# Altium PCB USB3-PCIEv21.PcbDoc (part 1 of 2)
Units mm, origin at the board's own origin, x right, y up, seen from the top; angles counter-clockwise.
Board outline 83.05 x 33 mm, 6 copper layers (Top Layer, Int Plane 1, Int Layer 1, Int Layer 2, Int Plane 2, Bottom Layer), stack 1.15 mm thick; 130 components, 93 nets, 474 pads, 279 vias.
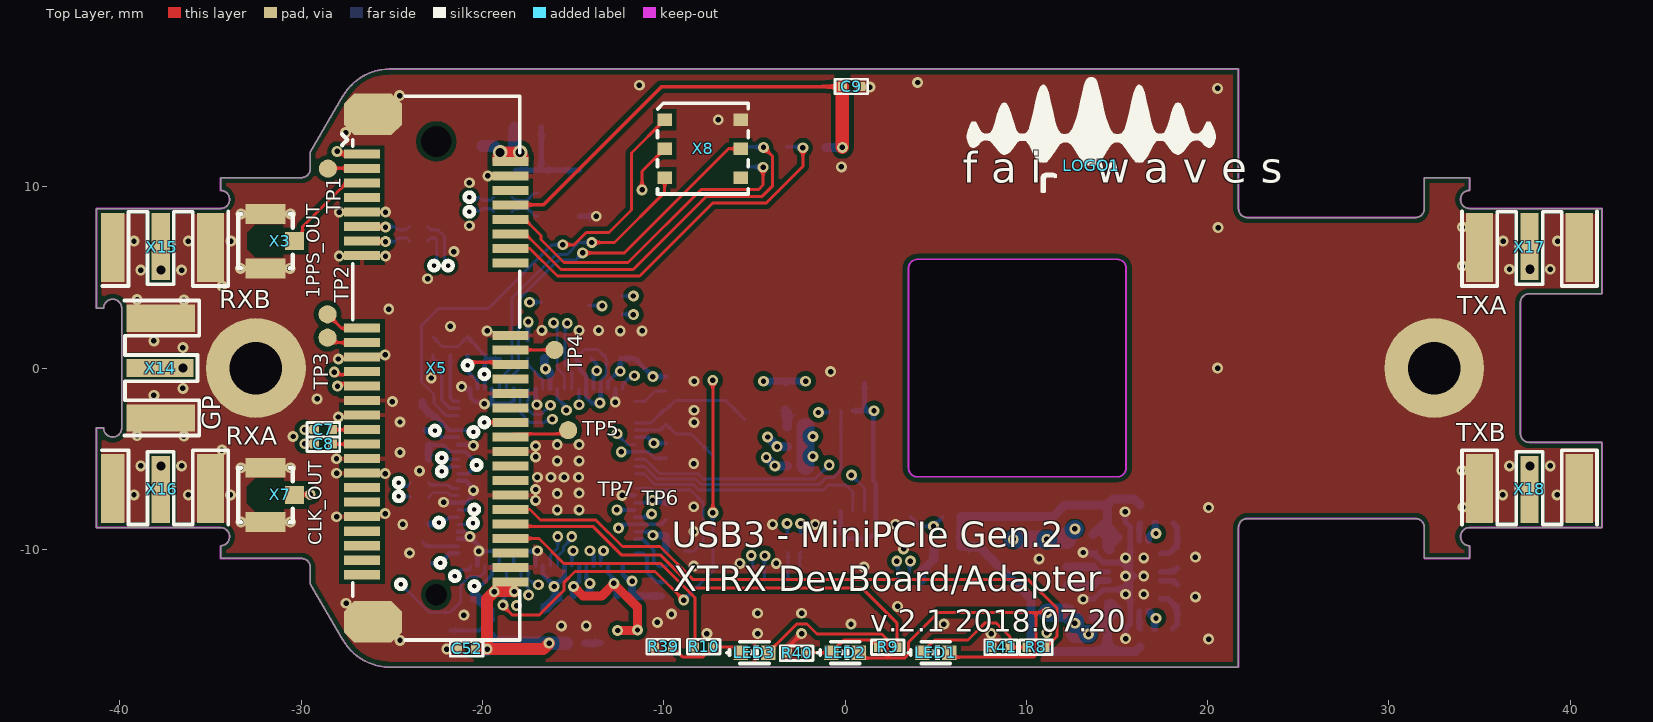
[diagram p0: Top Layer view]
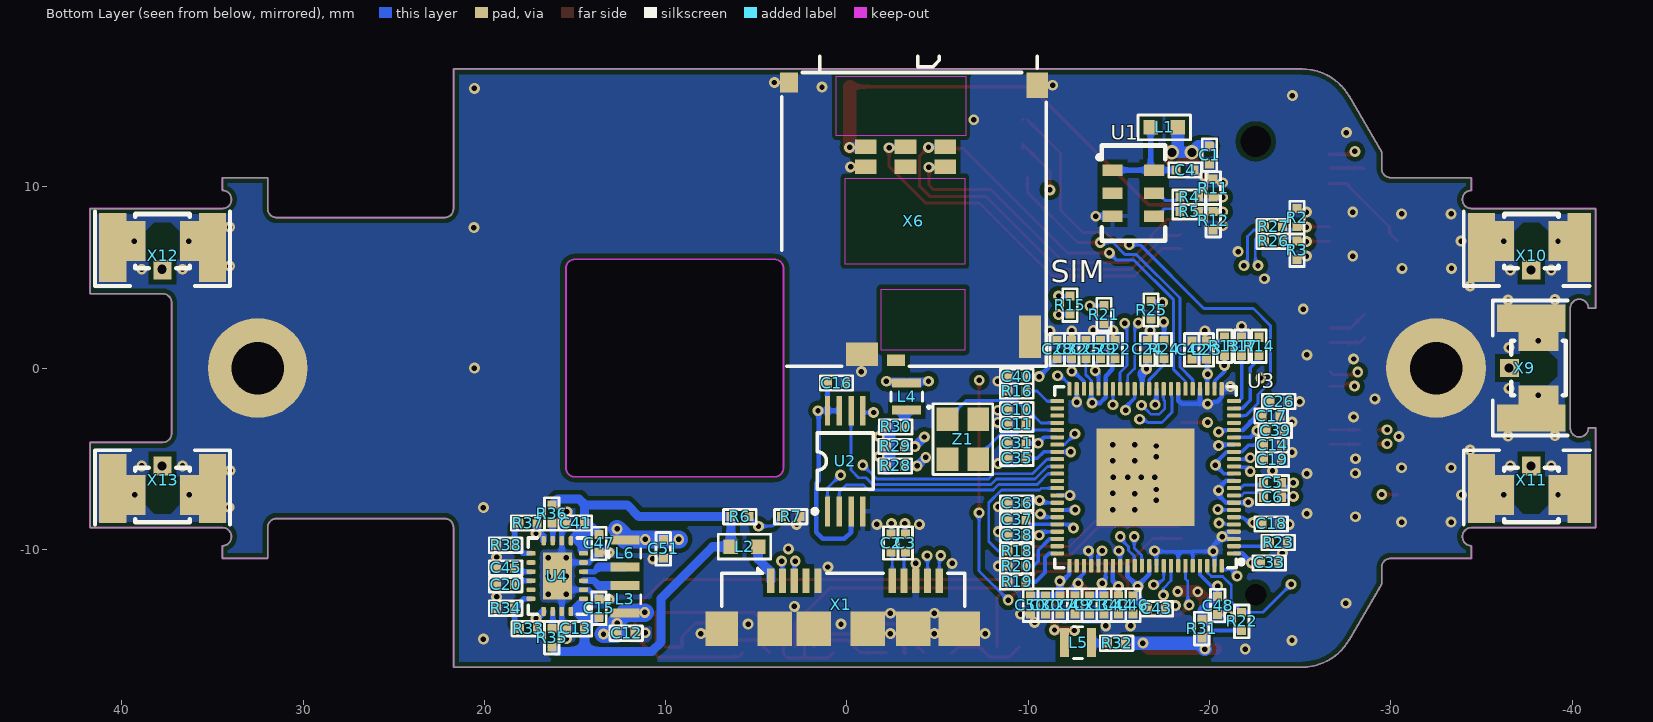
[diagram p1: Bottom Layer view, seen from below]
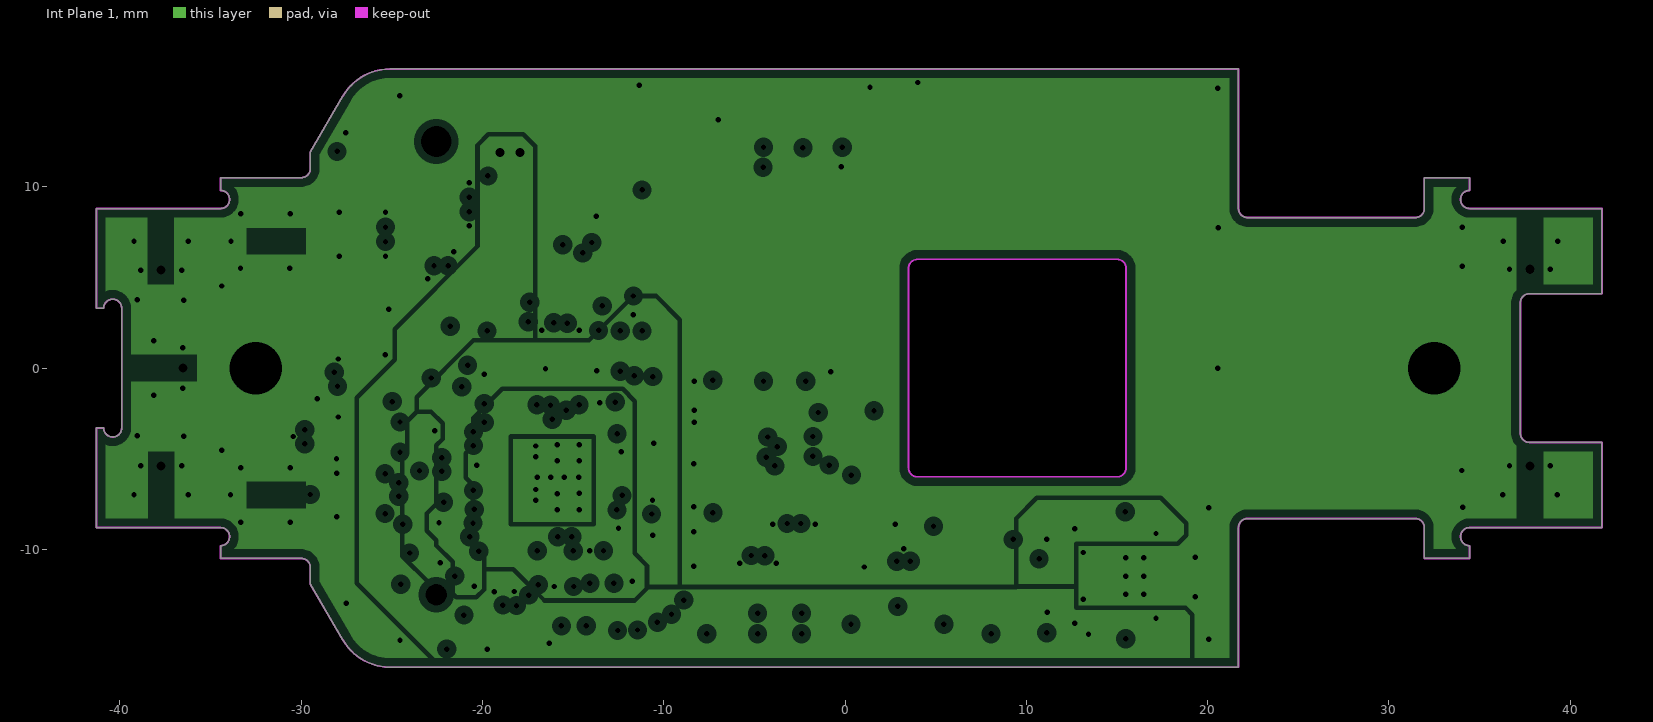
[diagram p2: Int Plane 1, clearances drawn from the general rule]
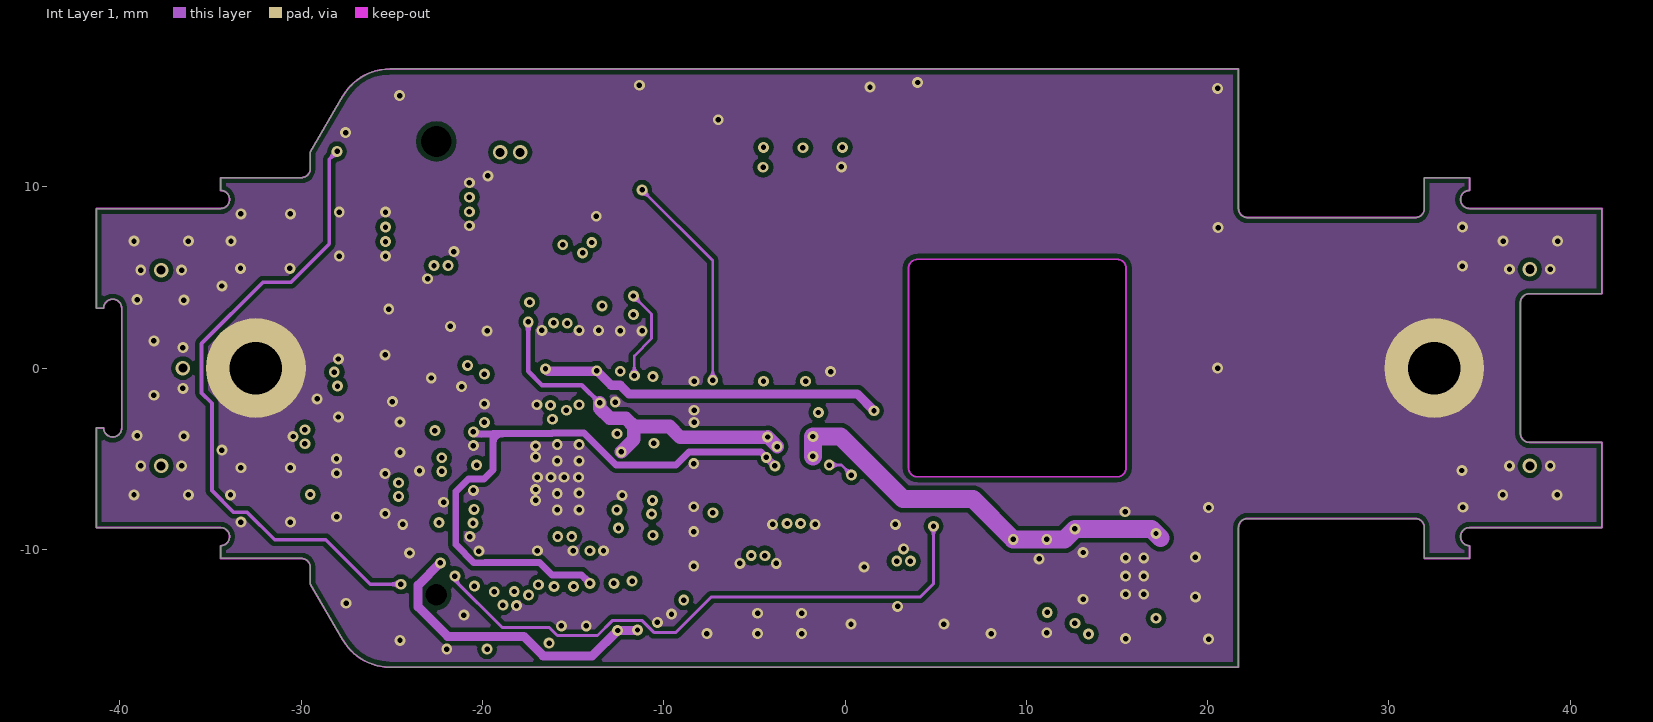
[diagram p3: Int Layer 1]
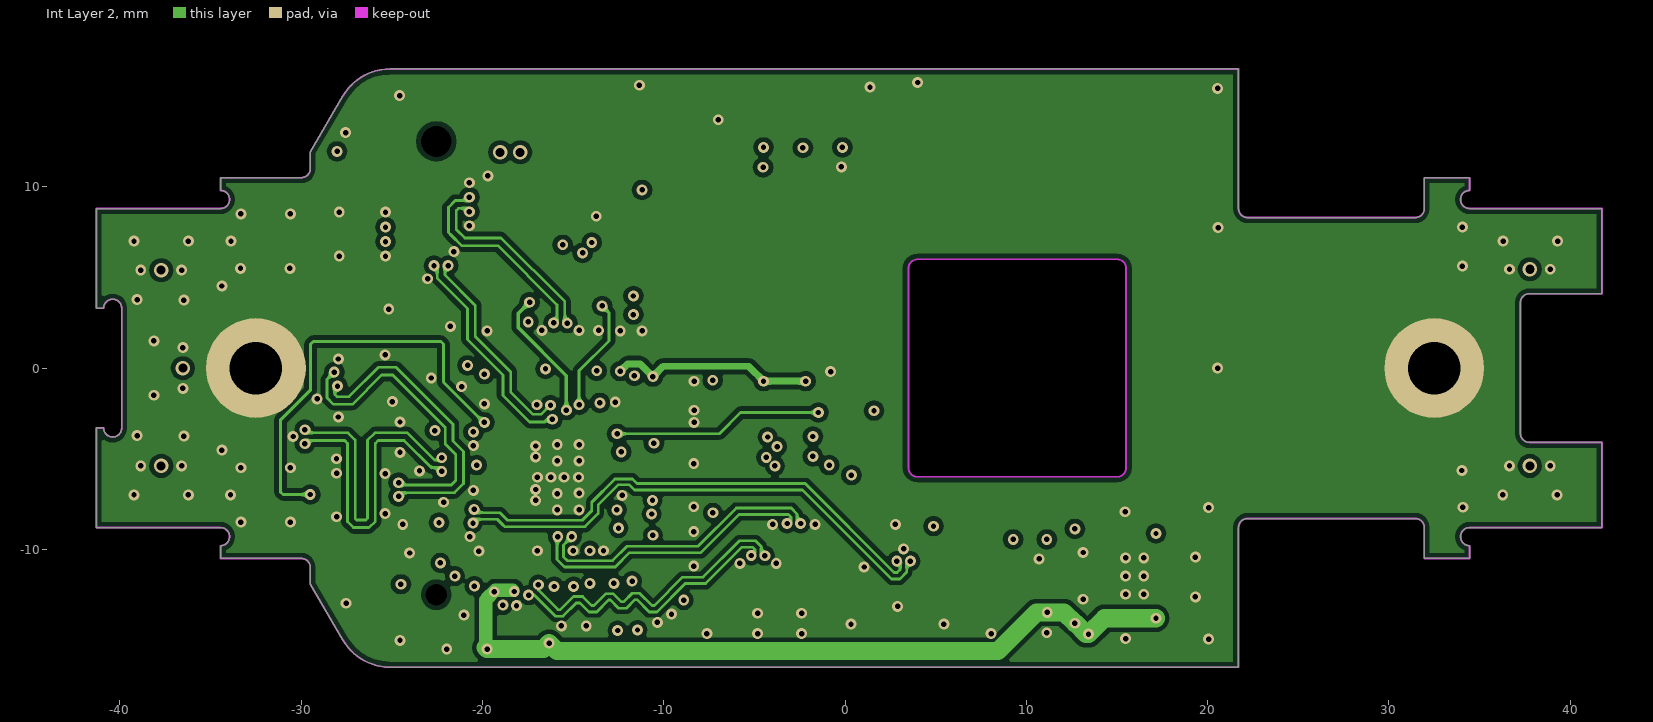
[diagram p4: Int Layer 2]
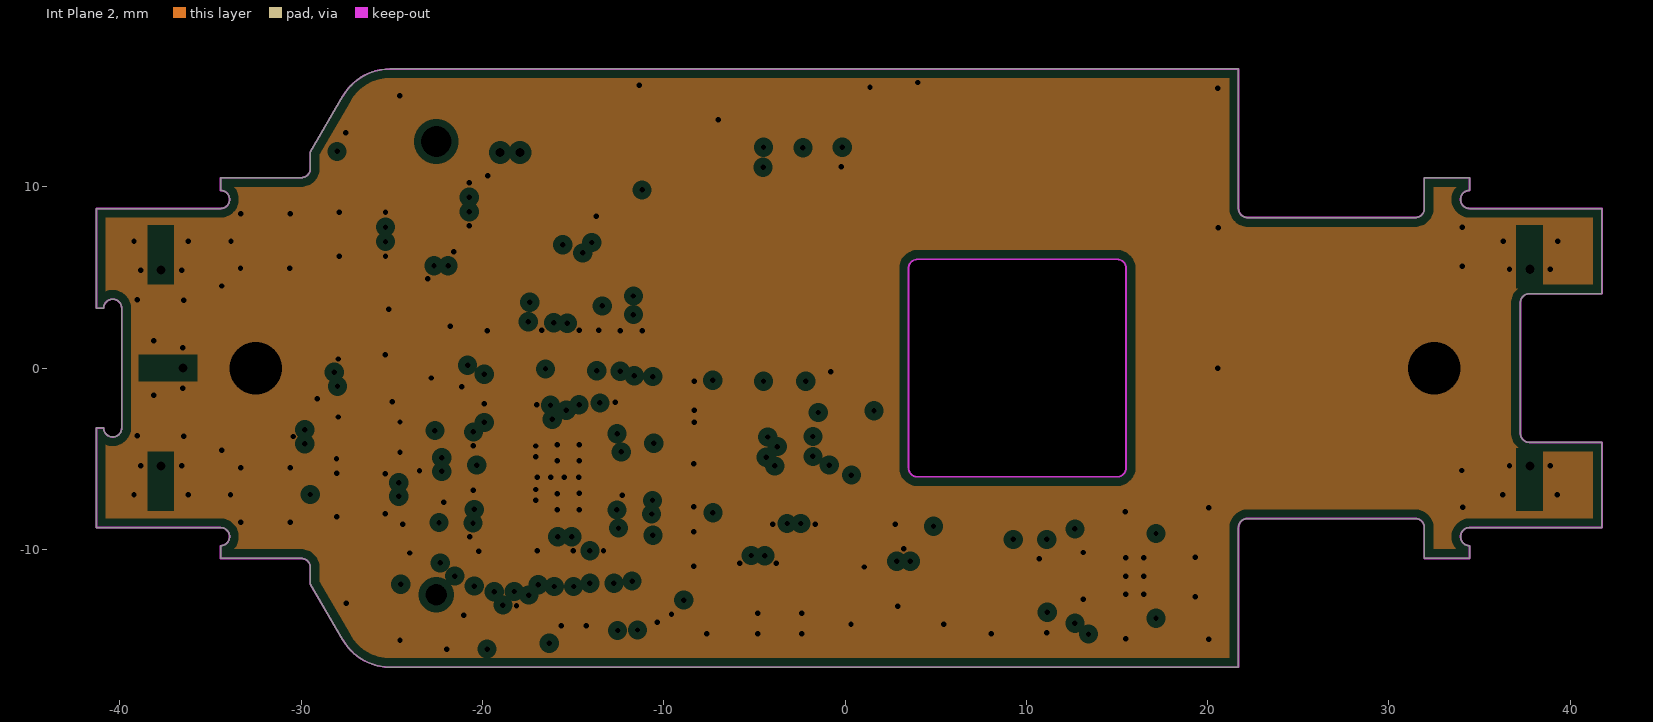
[diagram p5: Int Plane 2, clearances drawn from the general rule]
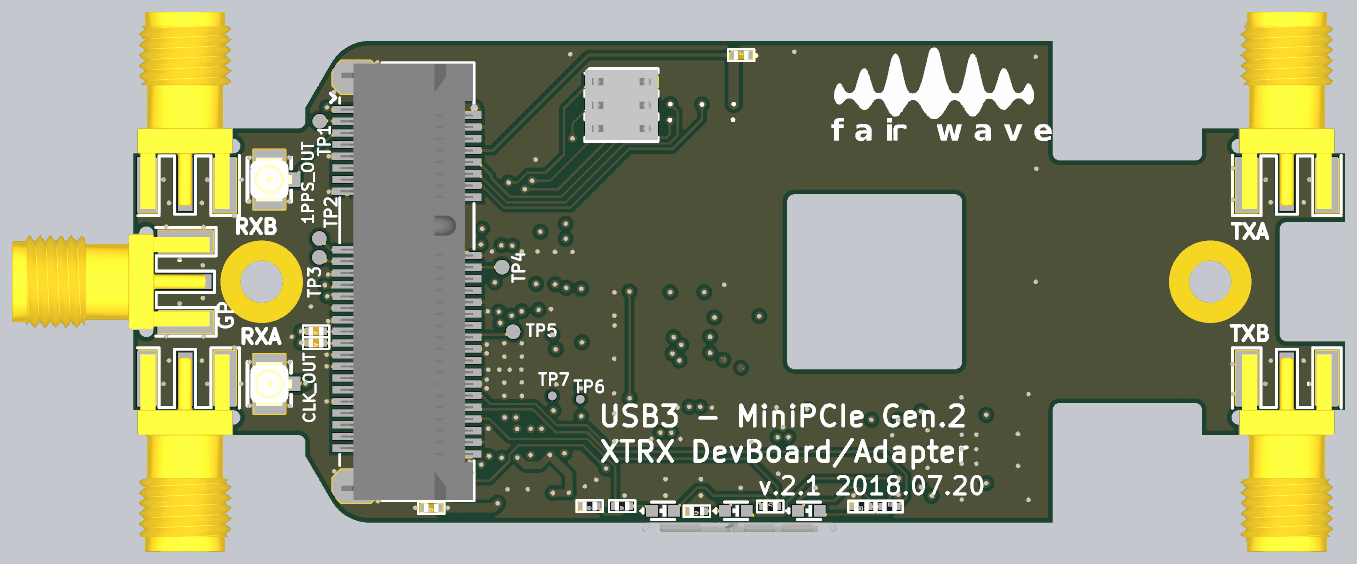
[diagram p7: 3D render of the assembled board from above, using the file's embedded part models]
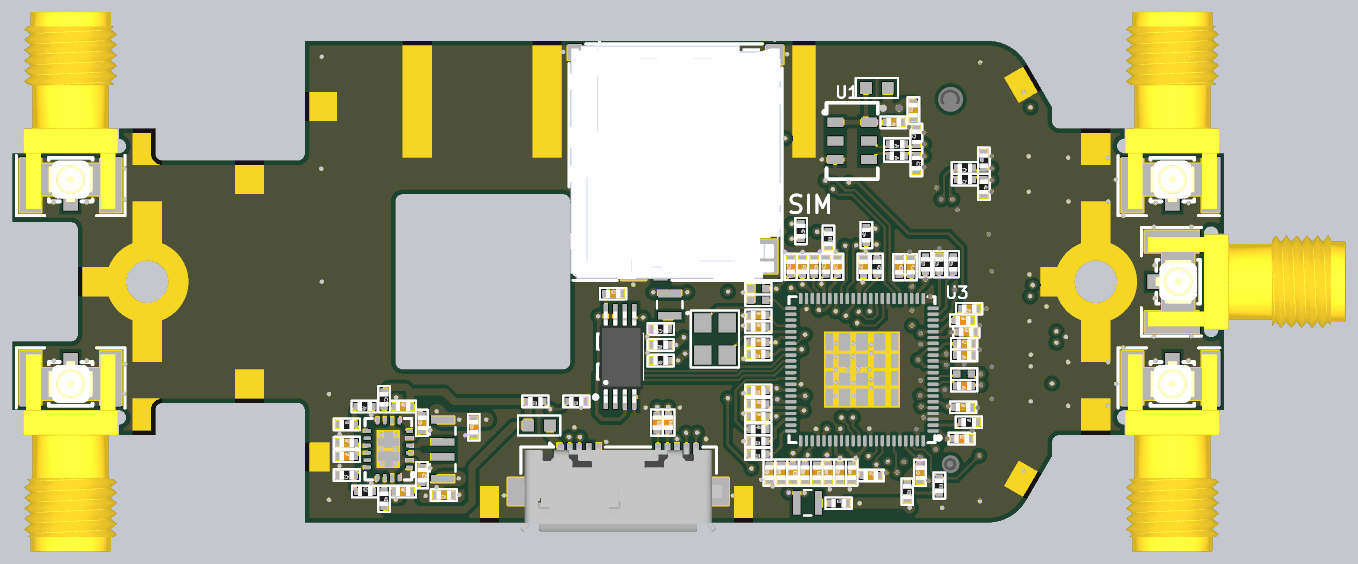
[diagram p8: 3D render of the assembled board from below, using the file's embedded part models]

## Layer stack, top to bottom
Top Solder: solder mask 0.0102, Solder Resist, Dk 3.5
Top Layer: signal copper 0.035
Dielectric 1: core 0.127, FR-4, Dk 4.6
Int Plane 1: plane copper 0.035, net (Multiple Nets)
Dielectric 4: prepreg 0.1905, FR-4, Dk 4.6
Int Layer 1: signal copper 0.035
Dielectric 3: core 0.3048, FR-4, Dk 4.6
Int Layer 2: signal copper 0.035
Dielectric 2: prepreg 0.1905, FR-4, Dk 4.6
Int Plane 2: plane copper 0.035, net GND
Dielectric 5: core 0.127, FR-4, Dk 4.6
Bottom Layer: signal copper 0.035
Bottom Solder: solder mask 0.0102, Solder Resist, Dk 3.5

## Board outline
-41.3,-8.8 -34.45,-8.8 cw(c-34.45,-9.3) -34.45,-9.8 -34.45,-10.5 -30,-10.5 cw(c-30,-11) -29.5,-11 -29.5,-11.925 -27.706,-15.004 -27.698,-15 ccw(c-25.1,-13.5) -25.1,-16.5 21.7,-16.5 21.7,-8.8 cw(c22.2,-8.8) 22.2,-8.3 31.45,-8.3 cw(c31.45,-8.8) 31.95,-8.8 31.95,-10.5 34.45,-10.5 34.45,-9.8 cw(c34.45,-9.3) 34.45,-8.8 41.75,-8.8 41.75,-4.1 37.75,-4.1 cw(c37.75,-3.6) 37.25,-3.6 37.25,3.6 cw(c37.75,3.6) 37.75,4.1 41.75,4.1 41.75,8.8 34.45,8.8 cw(c34.45,9.3) 34.45,9.8 34.45,10.5 31.95,10.5 31.95,8.8 cw(c31.45,8.8) 31.45,8.3 22.2,8.3 cw(c22.2,8.8) 21.7,8.8 21.7,16.5 -25.1,16.5 ccw(c-25.1,13.5) -27.698,15 -27.706,15.004 -29.5,11.925 -29.5,11 cw(c-30,11) -30,10.5 -34.45,10.5 -34.45,9.8 cw(c-34.45,9.3) -34.45,8.8 -41.3,8.8 -41.3,3.3 -40.9,3.3 cw(c-40.4,3.3) -39.9,3.3 -39.9,-3.3 cw(c-40.4,-3.3) -40.9,-3.3 -41.3,-3.3
cut-out: 3.5,-5.5 3.5,5.5 cw(c4,5.5) 4,6 15,6 cw(c15,5.5) 15.5,5.5 15.5,-5.5 cw(c15,-5.5) 15,-6 4,-6 cw(c4,-5.5)

## Design rules (kind name [scope] priority, off if disabled: settings)
Clearance Clearance_1 [InPolygon] p1: gap=0.254 ignorepadtopadclearanceinfootprint=FALSE
Clearance [All] p2: gap=0.15 ignorepadtopadclearanceinfootprint=FALSE
ComponentClearance ComponentClearance_1 [All vs InComponent('X4','X5','X8')] p1: gap=-2 collisioncheckmode=3 verticalgap=-2 showdistances=FALSE
ComponentClearance [All] p2: gap=0.2 collisioncheckmode=3 verticalgap=-0.01 showdistances=FALSE
DiffPairsRouting DiffPairsRouting90 [InDifferentialPairClass('DiffPairClass_90')] p1: maxlimit=0.203 minlimit=0.203 mostfreqgap=0.203 toplayer_minwidth=0.152 toplayer_maxwidth=0.152 toplayer_prefwidth=0.152 midlayer1_minwidth=0.152 midlayer1_maxwidth=0.152 midlayer1_prefwidth=0.152 midlayer2_minwidth=0.152 midlayer2_maxwidth=0.152 midlayer2_prefwidth=0.152 bottomlayer_minwidth=0.152 bottomlayer_maxwidth=0.152 bottomlayer_prefwidth=0.152 maxuncoupledlength=12.7
DiffPairsRouting DiffPairsRouting100 [InDifferentialPairClass('DiffPairClass_100')] p2: maxlimit=0.274 minlimit=0.274 mostfreqgap=0.274 toplayer_minwidth=0.15 toplayer_maxwidth=0.15 toplayer_prefwidth=0.15 midlayer1_minwidth=0.15 midlayer1_maxwidth=0.15 midlayer1_prefwidth=0.15 midlayer2_minwidth=0.15 midlayer2_maxwidth=0.15 midlayer2_prefwidth=0.15 bottomlayer_minwidth=0.15 bottomlayer_maxwidth=0.15 bottomlayer_prefwidth=0.15 maxuncoupledlength=12.7
HoleSize [All] p1: absolutevalues=TRUE maxlimit=5 minlimit=0.3 maxpercent=80.000 minpercent=20.000
HoleToHoleClearance [All] p1: gap=0.3 allowstackedmicrovias=TRUE
MatchedLengths MatchedLengths_1 [InxSignalClass('USB3_SS')] p1: tolerance=1 checknetsindiffpair=FALSE checkdiffpairvsdiffpair=TRUE checkxsignals=TRUE checkothers=TRUE
MatchedLengths [InxSignalClass('xSignals_U3_X5_PCIe')] p2: tolerance=1 checknetsindiffpair=FALSE checkdiffpairvsdiffpair=TRUE checkxsignals=TRUE checkothers=TRUE
MinimumAnnularRing [All] p1: minimumring=0.15
MinimumSolderMaskSliver [All] p1: minsoldermaskwidth=0.1
PlaneClearance [All] p1: clearance=0.381
PlaneConnect [All] p1: planeconnectstyle=Direct reliefexpansion=0.508 reliefentries=4 reliefconductorwidth=0.254 reliefairgap=0.254
PolygonConnect PolygonConnect_1 [HasPad('U3-0','U4-0','X1-0','X5-0','X6-0')] p1: connectstyle=Direct reliefconductorwidth=0.254 reliefentries=4 polygonreliefangle="90 Angle" airgapwidth=0.254
PolygonConnect PolygonConnect_2 [HasFootprint('U_FL','SMA - EDGE')] p2: connectstyle=Direct reliefconductorwidth=0.254 reliefentries=4 polygonreliefangle="90 Angle" airgapwidth=0.254
PolygonConnect PolygonConnect_3 [InComponent('X5','X6','U1','U2')] p3: connectstyle=Relief reliefconductorwidth=0.254 reliefentries=4 polygonreliefangle="90 Angle" airgapwidth=0.254
PolygonConnect [All] p4: connectstyle=Direct reliefconductorwidth=0.254 reliefentries=4 polygonreliefangle="90 Angle" airgapwidth=0.254
RoutingVias [All] p1: holewidth=0.3 width=0.6 viastyle="Through Hole" minholewidth=0.3 minwidth=0.6 maxholewidth=0.711 maxwidth=1.27
SilkToSilkClearance [All] p1: silktosilkclearance=0
SilkToSolderMaskClearance [IsPad] p1: minsilkscreentomaskgap=0 clearancetoexposedcopper=TRUE
SolderMaskExpansion [All] p1: expansion=0.07
Width Width_1 [InNetClass('50')] p1: maxlimit=0.165 minlimit=0.165 preferedwidth=0.165
Width [All] p2: maxlimit=2 minlimit=0.15 preferedwidth=0.165 midlayer1_prefwidth=0.152 midlayer2_prefwidth=0.152 minimp=50.000000 maximp=50.000000 favimp=50.000000
21 further rules are at their usual default settings.

## Classes and differential pairs
net class 50: MHZ_IN MHZ_OUT
net class PCIe: CLK0_N CLK0_P PCI_R0_N PCI_R0_P PCI_RX0_N PCI_RX0_P PCI_T0_N PCI_T0_P PCI_TX0_N PCI_TX0_P PCIE_CLK_N PCIE_CLK_P PEX_CLK_IN_N PEX_CLK_IN_P PEX_CLK_OUT_N PEX_CLK_OUT_P
net class USB: HSD_N HSD_P SSRX_N SSRX_P SST_N SST_P SSTX_N SSTX_P
net class 90: HSD_N HSD_P SSRX_N SSRX_P SST_N SST_P SSTX_N SSTX_P
differential pair HSD: +HSD_P -HSD_N
differential pair PCI_RX0: +PCI_RX0_P -PCI_RX0_N
differential pair PCI_TX0: +PCI_TX0_P -PCI_TX0_N
differential pair PCIE_CLK: +PCIE_CLK_P -PCIE_CLK_N
differential pair PEX_CLK_IN: +PEX_CLK_IN_P -PEX_CLK_IN_N
differential pair PEX_CLK_OUT: +PEX_CLK_OUT_P -PEX_CLK_OUT_N
differential pair SSRX: +SSRX_P -SSRX_N
differential pair SSTX: +SSTX_P -SSTX_N
differential pair CLK0: +CLK0_P -CLK0_N
differential pair SST: +SST_P -SST_N
differential pair PCI_R0: +PCI_R0_P -PCI_R0_N
differential pair PCI_T0: +PCI_T0_P -PCI_T0_N
